# KiCad board ProtoBarnacle.kicad_pcb (continued)
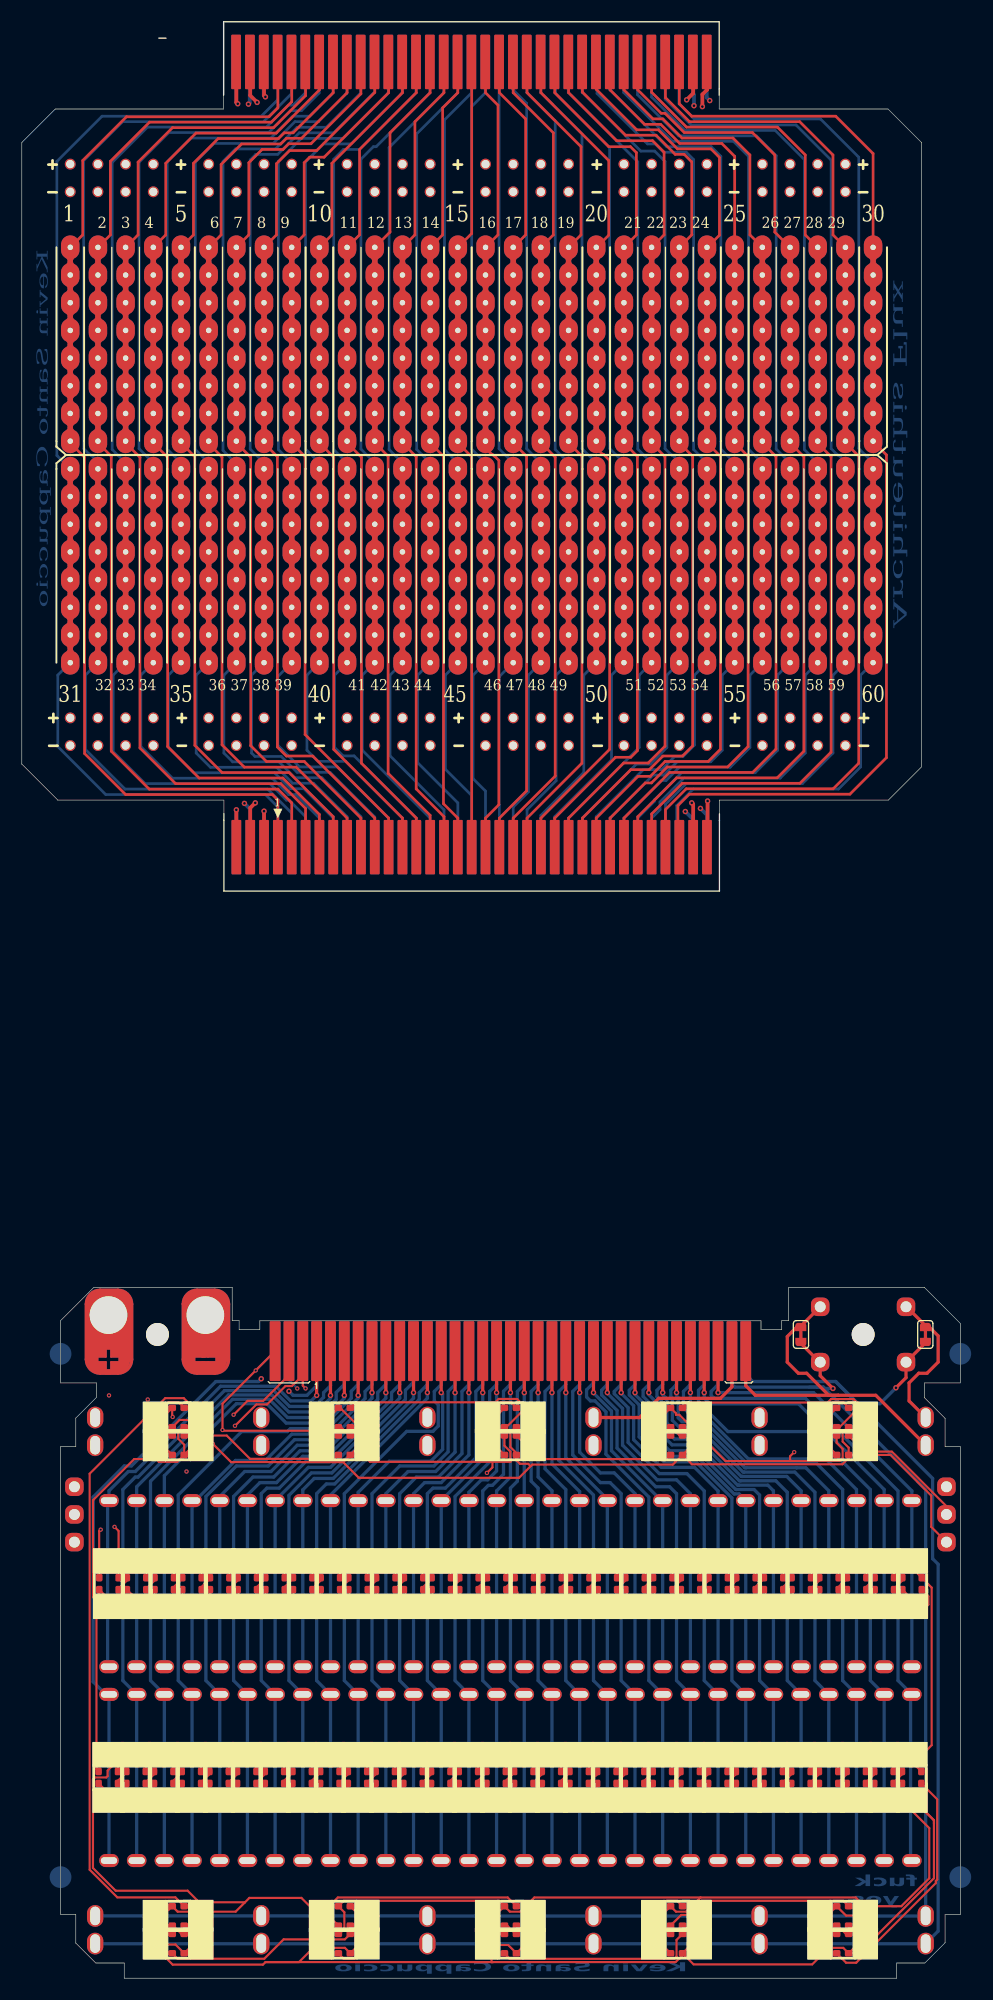
[diagram p0: board, top side]
## Nets
BOT_NEG: J11#2.62 J12.62 TP30.1
BOT_POS: J11#2.61 J12.61 TP28.1
LED_5V: J11#2.67 J11#2.70 J12.67 J12.70
LED_DATA_IN: J11#2.69 J12.69
LED_DATA_OUT: J11#2.66 J12.66
LED_GND: J11#2.65 J11#2.68 J12.65 J12.68
TOP_NEG: J11#2.64 J12.64 TP26.1
TOP_POS: J11#2.63 J12.63 TP24.1
Net-(D1-DOUT): D1.1 D2.3
Net-(D2-DOUT): D2.1 D3.3
Net-(D3-DOUT): D3.1 D4.3
Net-(D4-DOUT): D4.1 D5.3
Net-(D5-DOUT): D5.1 D6.3
Net-(D6-DOUT): D6.1 D7.3
Net-(D7-DOUT): D7.1 D8.3
Net-(D8-DOUT): D8.1 D9.3
Net-(D10-DIN): D9.1 D10.3
Net-(D10-DOUT): D10.1 D11.3
Net-(D11-DOUT): D11.1 D12.3
Net-(D12-DOUT): D12.1 D13.3
Net-(D13-DOUT): D13.1 D14.3
Net-(D14-DOUT): D14.1 D15.3
Net-(D15-DOUT): D15.1 D16.3
Net-(D16-DOUT): D16.1 D17.3
Net-(D17-DOUT): D17.1 D18.3
Net-(D18-DOUT): D18.1 D19.3
Net-(D19-DOUT): D19.1 D20.3
Net-(D20-DOUT): D20.1 D21.3
Net-(D21-DOUT): D21.1 D22.3
Net-(D22-DOUT): D22.1 D23.3
Net-(D23-DOUT): D23.1 D24.3
Net-(D24-DOUT): D24.1 D25.3
Net-(D25-DOUT): D25.1 D26.3
Net-(D26-DOUT): D26.1 D27.3
Net-(D27-DOUT): D27.1 D28.3
Net-(D28-DOUT): D28.1 D29.3
Net-(D29-DOUT): D29.1 D30.3
Net-(D30-DOUT): D30.1 D31.3
Net-(D31-DOUT): D31.1 D32.3
Net-(D32-DOUT): D32.1 D33.3
Net-(D33-DOUT): D33.1 D34.3
Net-(D34-DOUT): D34.1 D35.3
Net-(D35-DOUT): D35.1 D36.3
Net-(D36-DOUT): D36.1 D37.3
Net-(D37-DOUT): D37.1 D38.3
Net-(D38-DOUT): D38.1 D39.3
Net-(D39-DOUT): D39.1 D40.3
Net-(D40-DOUT): D40.1 D41.3
Net-(D41-DOUT): D41.1 D42.3
Net-(D42-DOUT): D42.1 D43.3
Net-(D43-DOUT): D43.1 D44.3
Net-(D44-DOUT): D44.1 D45.3
Net-(D45-DOUT): D45.1 D46.3
Net-(D46-DOUT): D46.1 D47.3
Net-(D47-DOUT): D47.1 D48.3
Net-(D48-DOUT): D48.1 D49.3
Net-(D49-DOUT): D49.1 D50.3
Net-(D50-DOUT): D50.1 D51.3
Net-(D51-DOUT): D51.1 D52.3
Net-(D52-DOUT): D52.1 D53.3
Net-(D53-DOUT): D53.1 D54.3
Net-(D54-DOUT): D54.1 D55.3
Net-(D55-DOUT): D55.1 D56.3
Net-(D56-DOUT): D56.1 D57.3
Net-(D57-DOUT): D57.1 D58.3
Net-(D58-DOUT): D58.1 D59.3
Net-(D59-DOUT): D59.1 D60.3
Net-(D60-DOUT): D60.1 D71.3
Net-(D71-DOUT): D71.1 D72.3
Net-(D72-DOUT): D72.1 D73.3
Net-(D73-DOUT): D73.1 D74.3
Net-(D74-DOUT): D74.1 D75.3
Net-(D75-DOUT): D75.1 D76.3
Net-(D76-DOUT): D76.1 D77.3
Net-(D77-DOUT): D77.1 D78.3
Net-(D78-DOUT): D78.1 D79.3
Net-(D79-DOUT): D79.1 D80.3
Net-(D80-DOUT): D80.1 D81.3
Net-(D81-DOUT): D81.1 D82.3
Net-(D82-DOUT): D82.1 D83.3
Net-(D83-DOUT): D83.1 D84.3
Net-(D84-DOUT): D84.1 D85.3
Net-(D85-DOUT): D85.1 D86.3
Net-(D86-DOUT): D86.1 D87.3
Net-(D87-DOUT): D87.1 D88.3
Net-(D88-DOUT): D88.1 D89.3
Net-(D89-DOUT): D89.1 D90.3
Net-(J1-Pin_1): J1.1 J1#2.1 J11.1 J11#2.31 J12.31
Net-(J1-Pin_2): J1.2 J1#2.2 J11.2 J11#2.32 J12.32
Net-(J1-Pin_3): J1.3 J1#2.3 J11.3 J11#2.33 J12.33
Net-(J1-Pin_4): J1.4 J1#2.4 J11.4 J11#2.34 J12.34
Net-(J1-Pin_5): J1.5 J1#2.5 J11.5 J11#2.35 J12.35
Net-(J1-Pin_6): J1.6 J1#2.6 J11.6 J11#2.36 J12.36
Net-(J1-Pin_7): J1.7 J1#2.7 J11.7 J11#2.37 J12.37
Net-(J1-Pin_8): J1.8 J1#2.8 J11.8 J11#2.38 J12.38
Net-(J1-Pin_9): J1.9 J1#2.9 J11.9 J11#2.39 J12.39
Net-(J1-Pin_10): J1.10 J1#2.10 J11.10 J11#2.40 J12.40
Net-(J1-Pin_11): J1.11 J1#2.11 J11.11 J11#2.41 J12.41
Net-(J1-Pin_12): J1.12 J1#2.12 J11.12 J11#2.42 J12.42
Net-(J1-Pin_13): J1.13 J1#2.13 J11.13 J11#2.43 J12.43
Net-(J1-Pin_14): J1.14 J1#2.14 J11.14 J11#2.44 J12.44
Net-(J1-Pin_15): J1.15 J1#2.15 J11.15 J11#2.45 J12.45
Net-(J1-Pin_16): J1.16 J1#2.16 J11.16 J11#2.46 J12.46
Net-(J1-Pin_17): J1.17 J1#2.17 J11.17 J11#2.47 J12.47
Net-(J1-Pin_18): J1.18 J1#2.18 J11.18 J11#2.48 J12.48
Net-(J1-Pin_19): J1.19 J1#2.19 J11.19 J11#2.49 J12.49
Net-(J1-Pin_20): J1.20 J1#2.20 J11.20 J11#2.50 J12.50
Net-(J1-Pin_21): J1.21 J1#2.21 J11.21 J11#2.51 J12.51
Net-(J1-Pin_22): J1.22 J1#2.22 J11.22 J11#2.52 J12.52
Net-(J1-Pin_23): J1.23 J1#2.23 J11.23 J11#2.53 J12.53
Net-(J1-Pin_24): J1.24 J1#2.24 J11.24 J11#2.54 J12.54
Net-(J1-Pin_25): J1.25 J1#2.25 J11.25 J11#2.55 J12.55
Net-(J1-Pin_26): J1.26 J1#2.26 J11.26 J11#2.56 J12.56
Net-(J1-Pin_27): J1.27 J1#2.27 J11.27 J11#2.57 J12.57
Net-(J1-Pin_28): J1.28 J1#2.28 J11.28 J11#2.58 J12.58
Net-(J1-Pin_29): J1.29 J1#2.29 J11.29 J11#2.59 J12.59
Net-(J1-Pin_30): J1.30 J1#2.30 J11.30 J11#2.60 J12.60
Net-(J11-Pin_1): J2.1 J11#2.1 J12.1
Net-(J11-Pin_2): J2.2 J11#2.2 J12.2
Net-(J11-Pin_3): J2.3 J11#2.3 J12.3
Net-(J11-Pin_4): J2.4 J11#2.4 J12.4
Net-(J11-Pin_5): J2.5 J11#2.5 J12.5
Net-(J11-Pin_6): J2.6 J11#2.6 J12.6
Net-(J11-Pin_7): J2.7 J11#2.7 J12.7
Net-(J11-Pin_8): J2.8 J11#2.8 J12.8
Net-(J11-Pin_9): J2.9 J11#2.9 J12.9
Net-(J11-Pin_10): J2.10 J11#2.10 J12.10
Net-(J11-Pin_11): J2.11 J11#2.11 J12.11
Net-(J11-Pin_12): J2.12 J11#2.12 J12.12
Net-(J11-Pin_13): J2.13 J11#2.13 J12.13
Net-(J11-Pin_14): J2.14 J11#2.14 J12.14
Net-(J11-Pin_15): J2.15 J11#2.15 J12.15
Net-(J11-Pin_16): J2.16 J11#2.16 J12.16
Net-(J11-Pin_17): J2.17 J11#2.17 J12.17
Net-(J11-Pin_18): J2.18 J11#2.18 J12.18
Net-(J11-Pin_19): J2.19 J11#2.19 J12.19
Net-(J11-Pin_20): J2.20 J11#2.20 J12.20
Net-(J11-Pin_21): J2.21 J11#2.21 J12.21
Net-(J11-Pin_22): J2.22 J11#2.22 J12.22
Net-(J11-Pin_23): J2.23 J11#2.23 J12.23
Net-(J11-Pin_24): J2.24 J11#2.24 J12.24
Net-(J11-Pin_25): J2.25 J11#2.25 J12.25
Net-(J11-Pin_26): J2.26 J11#2.26 J12.26
Net-(J11-Pin_27): J2.27 J11#2.27 J12.27
Net-(J11-Pin_28): J2.28 J11#2.28 J12.28
Net-(J11-Pin_29): J2.29 J11#2.29 J12.29
Net-(J11-Pin_30): J2.30 J11#2.30 J12.30

Pads without a net: D1 2 3 4; D2 2 4; D3 2 4; D4 2 4; D5 2 4; D6 2 4; D7 2 4; D8 2 4; D9 2 4; D10 2 4; D11 2 4; D12 2 4; D13 2 4; D14 2 4; D15 2 4; D16 2 4; D17 2 4; D18 2 4; D19 2 4; D20 2 4; D21 2 4; D22 2 4; D23 2 4; D24 2 4; D25 2 4; D26 2 4; D27 2 4; D28 2 4; D29 2 4; D30 2 4; D31 2 4; D32 2 4; D33 2 4; D34 2 4; D35 2 4; D36 2 4; D37 2 4; D38 2 4; D39 2 4; D40 2 4; D41 2 4; D42 2 4; D43 2 4; D44 2 4; D45 2 4; D46 2 4; D47 2 4; D48 2 4; D49 2 4; D50 2 4; D51 2 4; D52 2 4; D53 2 4; D54 2 4; D55 2 4; D56 2 4; D57 2 4; D58 2 4; D59 2 4; D60 2 4; D71 2 4; D72 2 4; D73 2 4; D74 2 4; D75 2 4; D76 2 4; D77 2 4; D78 2 4; D79 2 4; D80 2 4; D81 2 4; D82 2 4; D83 2 4; D84 2 4; D85 2 4; D86 2 4; D87 2 4; D88 2 4; D89 2 4; D90 1 2 4; J1#2 31 32 33 34 35 36 37 38 39 40 41 42 43 44 45 46 47 48 49 50 51 52 53 54 55 56 57 58 59 60 61 62 63 64 65 66 67 68 69 70; J11 31 32 33 34 35 36 37 38 39 40 41 42 43 44 45 46 47 48 49 50 51 52 53 54 55 56 57 58 59 60 61 62 63 64; JP1 1 2; JP2 1 2; NOREF 1; NOREF#2 1; NOREF#3 1; NOREF#4 1; TP15 1; TP16 1; TP20 1; TP21 1; TP22 1; TP23 1; TP24#2 1; TP25 1; TP26#2 1; TP27 1; TP29 1; TP31 1

## Via types
v1: diameter 0.5, hole 0.25, Top to Bottom, 50 vias
v2: diameter 0.4, hole 0.2, Top to Bottom, 24 vias

## Routing (per net, layer and track width the routed paths; a pad name or vN(x,y) marks a point on that pad's centre or on a via; arc(x,y) is an arc through that point)
(no net): length 3362.4
  Top w0.2: 70.48,47.45 75.05,47.45 75.31,47.71 75.31,48.56 74.76,49.11 74.76,49.78 74.68,49.78 74.21,50.25 74.21,51.77 74.76,52.32 ; 70.48,47.45 64.56,47.45 60.32,51.69 60.02,51.69 60.02,51.82 D88.2 58.97,51.77 58.97,50.25 59.44,49.78 D87.2 ; 70.48,47.45 70.48,47.88 v2(70.87,48.26) ; 31.75,37.35 29.18,37.35 ; 31.75,37.35 34.29,37.35 ; 31.75,37.35 31.75,36.75 D10.2 ; 29.18,37.35 29.18,36.76 D9.2 ; 29.18,37.35 26.64,37.35 ; D39.2 29.18,19 29.18,19.52 ; 49.48,19.52 49.49,19.51 D47.2 ; 49.48,19.52 46.96,19.52 ; 49.48,19.52 52.04,19.52 ; 62.2,19.52 62.2,18.97 D52.2 ; 62.2,19.52 64.69,19.52 ; 62.2,19.52 59.64,19.52 ; 26.64,37.35 26.64,36.76 D8.2 ; 26.64,37.35 24.1,37.35 ; 12.18,35.05 7.7,35.05 D1.4 7.1,34.43 v2(7.24,34.29) 6.53,34.99 6.53,43.85 10.31,47.62 12.32,47.62 12.57,47.37 14.27,47.37 D82.4 ; 12.18,35.05 12.18,35.05 ; 12.18,35.05 10.24,35.05 D2.4 ; D28.2 77.49,37.34 77.5,37.35 ; 58.04,35.05 55.52,35.05 ; 58.04,35.05 58.04,35.53 D21.4 ; 58.04,35.05 60.6,35.05 ; 55.52,35.05 55.52,35.5 D20.4 ; 55.52,35.05 52.96,35.05 ; 65.53,17.02 68.2,17.02 ; 65.53,17.02 65.53,17.85 D54.4 ; 65.53,17.02 63.09,17.02 ; 68.2,17.02 68.05,17.16 D55.4 ; 68.2,17.02 70.51,17.02 ; 12.18,35.05 14.73,35.05 ; 12.18,35.05 D3.4 ; 81.97,37.35 D30.2 83.48,35.83 83.48,21.37 v2(82.3,20.19) 82.3,19.83 81.98,19.52 ; 81.97,37.35 82.42,37.8 v2(82.42,37.85) ; 81.97,37.35 80.04,37.35 ; 34.98,17.02 35.01,17.05 D42.4 ; 34.98,17.02 37.62,17.02 ; 34.98,17.02 32.49,17.02 ; D13.4 37.69,35.55 37.69,35.05 ; D35.4 17.25,17.83 17.25,17.02 ; 8.81,19.52 8.81,18.98 D31.2 8.82,19.04 9.3,19.52 9.32,19.52 ; 8.81,19.52 8.89,19.59 v2(8.89,20.45) ; 8.81,19.52 9.32,19.52 ; 8.81,19.52 8.34,19.52 7.87,19.05 7.87,18.54 7.75,18.42 6.71,18.42 6.53,18.24 6.53,10.11 8.61,8.03 15.21,8.03 16.28,6.97 20.48,6.97 ; D71.4 76.8,2.29 83.69,9.17 83.69,14.2 ; D71.4 76.41,2.84 76.41,4.49 76.07,4.83 75.86,4.83 75.94,4.83 ; D71.4 75.36,2.79 74.03,2.79 72.52,1.27 61.64,1.27 D74.4 ; 9.4,17.02 9.59,17.21 D32.4 ; 9.4,17.02 7.89,17.02 ; 9.4,17.02 12.09,17.02 ; 14.9,50.55 14.76,50.55 14.35,50.14 14.35,49.49 14.9,48.94 D82.4 ; D14.2 41.94,36.76 41.94,37.35 ; 45.38,50.55 45.3,50.55 44.83,50.08 44.83,48.73 45.38,48.18 D86.4 45.38,47.51 45.7,47.19 46.46,47.19 46.69,46.97 ; 22.4,35.05 19.89,35.05 ; 22.4,35.05 24.94,35.05 ; 22.4,35.05 22.34,35.1 D7.4 ; 19.89,35.05 19.89,35.56 D6.4 ; 19.89,35.05 17.27,35.05 ; D45.2 44.41,19.4 44.53,19.52 ; D9.4 27.38,35.6 27.38,35.05 ; D87.4 61.48,47.15 75.28,47.15 75.86,47.73 D90.4 ; D87.4 59.73,47.12 46.83,47.12 46.69,46.97 ; D87.4 61.17,48.56 61.17,50.08 60.7,50.55 60.62,50.55 ; D59.2 79.99,19.37 80.14,19.52 ; 40.18,35.05 40.18,35.6 D14.4 ; 40.18,35.05 42.95,35.05 ; 40.18,35.05 37.69,35.05 ; D13.2 39.34,36.78 39.34,37.35 ; 74.93,37.35 72.44,37.35 ; 74.93,37.35 77.5,37.35 ; 74.93,37.35 74.93,36.76 D27.2 ; 72.44,37.35 72.44,36.78 D26.2 ; 72.44,37.35 69.88,37.35 ; 24.51,57.53 24.51,55.33 22.14,52.96 20.7,52.96 v2(19.43,51.69) ; 68.25,35.05 65.53,35.05 ; 68.25,35.05 70.74,35.05 ; 68.25,35.05 68.25,35.48 D25.4 ; 65.53,35.05 65.53,35.63 D24.4 ; 65.53,35.05 63.07,35.05 ; D60.2 81.98,19.52 ; 81.98,19.52 80.14,19.52 ; D86.2 44.28,48.85 44.83,48.3 44.83,47.37 43.18,47.37 ; D86.2 44.2,49.78 43.69,50.29 43.69,51.73 D85.2 ; D86.2 44.36,49.78 ; D34.4 14.73,17.81 14.73,17.02 ; 24.94,35.05 24.94,35.59 D8.4 ; 24.94,35.05 27.38,35.05 ; 57.91,17.02 57.89,17.04 D51.4 ; 57.91,17.02 60.53,17.02 ; 57.91,17.02 55.35,17.02 ; 29.18,19.52 26.67,19.52 ; 29.18,19.52 31.67,19.52 ; 26.67,19.52 24.08,19.52 ; 26.67,19.52 26.61,19.46 D38.2 ; 45.21,17.02 45.17,17.06 D46.4 ; 45.21,17.02 47.68,17.02 ; 45.21,17.02 42.72,17.02 ; v2(11.94,3.66) 12.41,3.66 12.98,3.09 ; D54.2 67.29,19.4 67.41,19.52 ; D17.2 49.54,37.34 49.53,37.35 ; 64.69,19.52 67.41,19.52 ; 64.69,19.52 64.75,19.46 D53.2 ; 77.5,37.35 80.04,37.35 ; 29.48,47.35 19.2,47.35 v2(17.53,49.02) 15.92,49.02 D82.4 ; 29.48,47.35 30.92,45.91 45.62,45.91 46.69,46.97 ; 29.48,47.35 D83.4 30.73,48.6 30.73,50.04 30.22,50.55 30.14,50.55 ; 16.38,19.52 13.82,19.52 ; 16.38,19.52 18.95,19.52 ; 16.38,19.52 16.45,19.45 D34.2 ; 13.82,19.52 11.4,19.52 ; 13.82,19.52 13.91,19.42 D33.2 ; 32.61,35.05 30.05,35.05 ; 32.61,35.05 32.61,35.54 D11.4 ; 32.61,35.05 35.2,35.05 ; 30.05,35.05 30.05,35.56 D10.4 ; 30.05,35.05 27.38,35.05 ; D3.2 13.97,36.75 13.97,37.35 ; 78.33,35.05 78.33,35.56 D29.4 ; 78.33,35.05 75.72,35.05 ; 78.33,35.05 80.27,35.05 80.79,35.56 D30.4 81.89,34.54 v2(82.42,34.54) ; D6.2 21.56,36.76 21.56,37.35 ; D38.4 24.83,17.05 24.87,17.02 ; 52.04,37.35 49.53,37.35 ; 52.04,37.35 54.61,37.35 ; 52.04,37.35 52.04,36.78 D18.2 ; 49.53,37.35 46.94,37.35 ; 29.87,17.02 32.49,17.02 ; 29.87,17.02 29.91,17.06 D40.4 ; 29.87,17.02 27.33,17.02 ; 32.49,17.02 32.49,17.84 D41.4 ; 78.31,17.02 79.99,17.02 ; 78.31,17.02 78.31,17.77 D59.4 ; 78.31,17.02 75.82,17.02 ; 79.99,17.02 80.75,17.78 D60.4 ; 79.99,17.02 81.15,17.02 83.69,14.48 ; 74.76,4.06 74.68,4.06 74.21,4.53 74.21,6.05 74.76,6.6 75.62,5.74 76.4,5.74 77.04,6.38 77.04,6.6 ; 7.89,17.02 D31.4 ; 7.89,17.02 7.13,16.26 v2(6.98,16.26) ; 62.27,7.4 60.97,6.1 60.02,6.1 D73.2 58.97,6.05 58.97,4.53 59.44,4.06 D74.2 ; 62.27,7.4 47.03,7.4 45.73,6.1 44.78,6.1 D76.2 ; 62.27,7.4 76.52,7.4 77.04,6.88 77.04,6.6 ; D49.4 52.78,17.86 52.78,17.02 ; 36.73,37.35 36.73,36.85 D12.2 ; 36.73,37.35 39.34,37.35 ; 36.73,37.35 34.29,37.35 ; 42.95,35.05 42.95,35.37 D15.4 ; 42.95,35.05 45.47,35.05 ; 18.95,19.52 18.99,19.47 D35.2 ; 18.95,19.52 21.54,19.52 ; 9.32,19.52 11.4,19.52 ; 46.94,37.35 44.42,37.35 ; 46.94,37.35 46.94,36.8 D16.2 ; 44.42,37.35 41.94,37.35 ; 44.42,37.35 44.42,36.78 D15.2 ; 69.88,37.35 69.88,36.76 D25.2 ; 69.88,37.35 67.34,37.35 ; 24.1,37.35 24.1,36.76 D7.2 ; 24.1,37.35 21.56,37.35 ; v2(19.56,50.67) 21.52,52.64 22.5,52.64 24.19,54.32 24.78,54.32 25.78,55.33 J1#2.67 25.78,54.36 v2(26.03,54.1) ; 27.33,17.02 27.33,17.82 D39.4 ; 27.33,17.02 24.87,17.02 ; 39.34,37.35 41.94,37.35 ; D79.2 13.72,4.06 13.25,4.53 13.25,6.05 D80.2 14.3,6.1 19.62,6.1 20.48,6.97 ; 39.27,19.52 36.73,19.52 ; 39.27,19.52 41.81,19.52 ; 39.27,19.52 39.33,19.46 D43.2 ; 36.73,19.52 34.14,19.52 ; 36.73,19.52 36.79,19.46 D42.2 ; D1.3 7.1,41.01 v2(7.24,41.15) ; 46.96,19.52 46.95,19.5 D46.2 ; 46.96,19.52 44.53,19.52 ; D12.4 35.2,35.5 35.2,35.05 ; 47.9,35.05 47.9,35.5 D17.4 ; 47.9,35.05 50.42,35.05 ; 47.9,35.05 45.47,35.05 ; D58.2 77.65,19.16 77.65,19.52 ; 67.34,37.35 64.85,37.35 ; 67.34,37.35 67.34,36.76 D24.2 ; 64.85,37.35 62.23,37.35 ; 64.85,37.35 64.85,36.81 D23.2 ; 24.08,19.52 21.54,19.52 ; 24.08,19.52 24.07,19.51 D37.2 ; 62.23,37.35 62.23,36.76 D22.2 ; 62.23,37.35 59.72,37.35 ; D84.2 26.94,50.22 18.48,50.22 v2(18.41,50.29) 18.41,52.71 v2(21.46,55.75) J1#2.65 ; D84.2 29.21,52.32 31.04,50.49 31.04,48.29 31.95,47.37 43.18,47.37 ; D84.2 28.49,51.77 28.49,50.25 28.96,49.78 D83.2 ; 69.77,19.52 69.77,19.02 D55.2 ; 69.77,19.52 67.41,19.52 ; 69.77,19.52 72.47,19.52 ; 77.04,6.6 80.7,6.6 83.26,9.17 83.26,13.77 80.77,16.26 v2(80.39,16.26) ; 34.29,37.35 D11.2 ; 70.51,17.02 70.51,17.78 D56.4 ; 70.51,17.02 73.33,17.02 ; 20.48,6.97 20.88,7.37 25.66,7.37 28.96,4.06 D78.2 29.12,4.06 29.59,4.53 29.59,6.05 D77.2 29.54,7.1 43.78,7.1 D76.2 ; D48.2 52.03,19.5 52.04,19.52 ; D53.4 63.09,17.75 63.09,17.02 ; D19.4 52.96,35.53 52.96,35.05 ; 59.64,19.52 59.64,18.99 D51.2 ; 59.64,19.52 57.15,19.52 ; 63.07,35.05 63.07,35.59 D23.4 ; 63.07,35.05 60.6,35.05 ; 37.62,17.02 40.06,17.02 ; 37.62,17.02 37.62,17.8 D43.4 ; 22.36,1.48 25.43,1.48 26.74,2.79 29.64,2.79 D78.4 30.69,2.84 30.69,4.36 30.22,4.83 30.14,4.83 ; 22.36,1.48 22.13,1.24 13.84,1.24 12.98,2.11 12.98,3.09 ; 22.36,1.48 43.21,1.48 ; 72.47,19.52 72.37,19.42 D56.2 ; 72.47,19.52 74.88,19.52 ; 52.78,17.02 50.24,17.02 ; 52.78,17.02 55.35,17.02 ; 47.68,17.02 47.68,17.83 D47.4 ; 47.68,17.02 50.24,17.02 ; 37.69,35.05 35.2,35.05 ; 12.98,3.09 14.1,3.09 D79.4 15.45,2.84 15.45,4.36 14.98,4.83 14.9,4.83 ; 31.67,19.52 31.69,19.5 D40.2 ; 31.67,19.52 34.14,19.52 ; 60.62,4.83 60.7,4.83 61.17,4.36 61.17,2.84 D74.4 ; 16.48,37.35 16.48,36.76 D4.2 ; 16.48,37.35 19.02,37.35 ; 16.48,37.35 13.97,37.35 ; 14.73,35.05 17.27,35.05 ; 14.73,35.05 14.73,35.64 D4.4 ; 54.58,19.52 54.57,19.5 D49.2 ; 54.58,19.52 52.04,19.52 ; 54.58,19.52 57.15,19.52 ; 54.61,37.35 54.61,36.75 D19.2 ; 54.61,37.35 57.23,37.35 ; 19.74,17.02 22.28,17.02 ; 19.74,17.02 17.25,17.02 ; 19.74,17.02 19.75,17.04 D36.4 ; 22.28,17.02 22.28,17.85 D37.4 ; 22.28,17.02 24.87,17.02 ; 11.4,19.52 11.37,19.48 D32.2 ; 77.65,19.52 74.88,19.52 ; 77.65,19.52 80.14,19.52 ; 74.88,19.52 74.88,19 D57.2 ; 11.4,37.35 9.4,37.35 8.88,36.83 D1.2 8.88,41.03 v2(8.51,41.4) ; 11.4,37.35 11.42,37.33 D2.2 ; 11.4,37.35 13.97,37.35 ; 21.54,19.52 21.53,19.51 D36.2 ; 34.14,19.52 34.24,19.41 D41.2 ; 17.25,17.02 14.73,17.02 ; 50.24,17.02 50.24,17.86 D48.4 ; 52.96,35.05 50.42,35.05 ; 50.42,35.05 50.42,35.53 D18.4 ; 70.74,35.05 70.74,35.53 D26.4 ; 70.74,35.05 73.23,35.05 ; D5.2 19.02,36.76 19.02,37.35 ; 60.53,17.02 63.09,17.02 ; 60.53,17.02 60.53,17.77 D52.4 ; 60.6,35.05 60.6,35.51 D22.4 ; 19.02,37.35 21.56,37.35 ; 73.23,35.05 73.23,35.59 D27.4 ; 73.23,35.05 75.72,35.05 ; D75.2 43.97,4.06 43.73,4.3 43.73,6.05 D76.2 ; 43.21,1.48 43.1,1.48 43.1,2.76 43.38,3.05 44.62,3.05 D75.4 45.93,2.84 45.93,4.36 45.46,4.83 45.38,4.83 ; 43.21,1.48 59.98,1.48 60.62,2.12 D74.4 ; 75.72,35.05 75.72,35.64 D28.4 ; 80.04,37.35 80.03,37.34 D29.2 ; 17.27,35.05 17.27,35.64 D5.4 ; 14.73,17.02 12.09,17.02 ; TP22.1 83.44,41.4 83.44,44.27 79.71,48.01 D90.4 ; 42.72,17.02 42.72,17.77 D45.4 ; 42.72,17.02 40.06,17.02 ; 55.35,17.02 55.35,17.78 55.34,17.79 D50.4 ; 59.72,37.35 57.23,37.35 ; 59.72,37.35 59.72,36.76 D21.2 ; 57.23,37.35 57.23,36.81 D20.2 ; 44.53,19.52 41.81,19.52 ; 12.09,17.02 12.09,17.82 D33.4 ; D58.4 75.67,17.16 75.82,17.02 ; 45.47,35.05 45.47,35.4 D16.4 ; 41.81,19.52 41.87,19.46 D44.2 ; TP15.1 84.84,43.3 79.83,48.31 77.34,48.31 D90.1 ; 73.33,17.02 75.82,17.02 ; 73.33,17.02 73.13,17.21 D57.4 ; 83.69,14.48 v2(82.23,15.94) ; 83.69,14.48 83.69,14.2 ; 83.69,14.48 83.69,14.2 ; 57.15,19.52 57.12,19.48 D50.2 ; v2(42.67,46.36) 43.18,46.86 43.18,47.37 ; 75.86,50.55 75.78,50.55 75.31,50.08 75.31,49.23 75.86,48.68 D90.4 ; 40.06,17.02 40.06,17.83 D44.4 ; v2(13.84,51.49) 13.8,51.53 D81.2 13.25,51.77 13.25,50.25 13.72,49.78 D82.2
  Top w0.3: TP25.1 71.6,59.94 ; 71.6,59.94 71.48,59.94 ; 71.6,59.94 71.31,59.94 70.23,58.86 70.23,56.52 71.25,55.5 72.01,55.5 74.03,53.47 74.93,53.47 ; 74.93,53.47 78.35,53.47 J11.62 ; 74.93,53.47 67.3,53.47 66.42,54.36 J1#2.62 ; v1(80.2,54.17) 81.13,55.09 TP31.1 82.78,58.17 82.91,58.17 ; J1#2.61 65.15,54.25 64.1,53.2 58.44,53.2 56.68,51.44 52.45,51.44 ; TP27.1 81.18,61.6 JP2.1 83.13,59.87 84.07,58.93 84.07,56.52 83.06,55.5 82.3,55.5 81.41,54.61 81.41,52.96 J11.61 ; v1(74.42,54.1) 73.25,55.27 TP29.1 73.2,56.52 JP1.1
  In1.Cu w0.2: v2(82.42,37.85) 82.22,38.05 82.22,42.47 TP23.1 78.44,51.49 74.09,51.49 v2(70.87,48.26) 70.3,47.7 48.39,47.7 ; 6.95,15.28 9.15,13.07 9.15,6.44 v2(11.94,3.66) ; 6.95,15.28 6.35,15.88 6.35,33.4 v2(7.24,34.29) 4.83,36.7 TP21.1 ; 6.95,15.28 6.98,15.32 v2(6.98,16.26) ; v2(82.3,20.19) 82.3,18.16 v2(80.39,16.26) ; TP22.1 84.84,36.83 82.55,34.54 v2(82.42,34.54) 83.52,33.45 83.52,17.22 v2(82.23,15.94) ; v2(15.11,46.48) 16.89,46.48 20.64,50.24 22.36,50.24 25.27,53.14 v2(25.27,54.1) ; v2(19.43,51.69) 18.86,51.12 18.86,50.11 18.6,49.84 12.83,49.84 9.22,46.23 9.22,41.1 8.7,40.57 7.82,40.57 v2(7.24,41.15) 6.22,41.15 TP16.1 ; v2(19.56,50.67) 19.56,50.37 18.21,49.02 v2(17.53,49.02) ; v2(21.46,55.75) 14.22,55.75 v2(11.56,53.09) ; v2(42.67,46.36) 44.01,47.7 48.39,47.7 ; v2(18.41,50.29) 16.38,52.32 14.68,52.32 v2(13.84,51.49) 11.23,51.49 TP20.1 v2(8.51,41.4) ; 48.39,47.7 48.22,47.7
  In1.Cu w0.3: v1(21.97,54.99) 23.11,53.85 v1(24.51,53.85)
  In1.Cu w0.4: TP24#2.1 9.27,59.51 9.27,51.44 6.73,48.9
  In2.Cu w0.2: TP15.1 84.84,43.18 81.21,46.81 15.44,46.81 v2(15.11,46.48) ; v2(8.89,20.45) 9.1,20.66 9.1,40.81 v2(8.51,41.4) ; v2(8,53.47) 11.18,53.47 v2(11.56,53.09)
  In2.Cu w0.3: 6.73,48.9 7.1,48.52 21.6,48.52 J11.62 J11.62 J11.62 J11.62 ; J11.61 82.43,50.94 68.19,50.94 J11.61 52.45,51.44 52,51.88 37.66,51.88 J11.61 J11.61 21.22,52.19 7.48,52.19 6.73,51.44
  In2.Cu w0.4: TP26#2.1 19.3,58.37 19.3,54.1 J11.61
  Bottom w0.2: J1#2.67 25.78,54.36 v2(26.03,54.1) ; 24.51,57.53 24.51,54.86 v2(25.27,54.1) ; J1#2.65 v2(21.46,55.75)
  Bottom w0.3: v1(21.97,54.99) 21.72,54.74 17.8,54.74 10.05,46.99 9.4,46.99 6.55,44.14 6.55,27.19 7.7,26.04 J11.31 J11.31 ; J11.36 J11.36 19.43,27.31 19.43,44.2 21.21,45.97 23.11,45.97 25.53,48.39 27.94,48.39 32.66,53.1 32.66,53.74 33.4,54.48 J1#2.36 ; 6.73,3.18 6.75,3.16 82.91,3.16 J11.64 84.07,4.32 84.07,37.98 83.57,38.48 83.57,45.85 74.68,54.74 ; J1#2.50 51.18,54.46 50.55,53.83 50.55,48.01 53.09,45.47 53.97,45.47 54.99,44.45 54.99,27.31 J11.50 J11.50 ; v1(24.51,53.85) 24.89,53.47 26.16,53.47 27.05,54.36 J1#2.31 ; 57.53,57.53 57.53,54.46 57.01,53.94 57.01,53.37 57.66,52.71 57.66,52.71 57.66,50.17 59.43,48.39 61.95,48.39 65.51,44.83 65.57,44.83 67.18,44.83 67.69,44.32 67.69,27.31 J11.55 J11.55 ; J11.46 J11.46 44.83,27.31 44.83,44.96 45.47,45.59 45.47,53.83 46.1,54.46 J1#2.46 ; J1#2.52 53.72,54.46 53.2,53.94 53.2,53.5 54.61,52.09 54.61,48.64 58.17,45.09 59.44,45.09 60.07,44.45 60.07,27.31 J11.52 J11.52 ; J1#2.44 43.56,54.46 42.93,53.83 42.93,47.37 39.75,44.2 39.75,27.31 J11.44 J11.44 ; J11.42 J11.42 34.67,27.31 34.67,44.45 36.19,45.97 38.23,45.97 40.39,48.13 40.39,53.83 41.02,54.46 J1#2.42 ; J1#2.54 56.26,54.46 55.74,53.94 55.74,53.5 56.64,52.6 56.64,49.66 58.93,47.37 61.84,47.37 65.15,44.06 65.15,27.31 J11.54 J11.54 ; J11.37 J11.37 21.97,27.31 21.97,44.45 22.48,44.95 23.62,44.95 26.03,47.37 28.22,47.37 33.93,53.08 33.93,53.72 34.67,54.46 34.67,57.53 ; J1#2.34 30.86,54.48 30.23,53.85 30.23,53.21 27.43,50.42 24.64,50.42 24.36,50.15 20.17,50.15 14.35,44.32 14.35,27.31 J11.34 J11.34 ; J11.32 J11.32 9.27,27.31 9.27,44.83 10.41,45.97 10.67,45.97 18.6,53.9 23.11,53.9 24.57,52.45 26.84,52.45 27.69,53.29 27.69,53.72 28.32,54.36 J1#2.32 ; J1#2.35 32.13,54.46 31.5,53.83 31.5,53.18 27.72,49.4 25.02,49.4 22.61,46.99 19.69,46.99 16.89,44.2 16.89,27.31 J11.35 J11.35 ; J1#2.49 49.91,54.46 49.28,53.83 49.28,47.5 52.45,44.32 52.45,27.31 J11.49 J11.49 ; 72.26,54.23 73.02,54.23 ; 73.02,54.23 73.53,54.23 ; 73.02,54.23 65.41,54.23 65.15,54.48 J1#2.61 ; J11.56 J11.56 70.23,27.31 70.23,44.58 69.18,45.63 65.84,45.63 62.01,49.47 59.88,49.47 58.67,50.67 58.67,52.95 58.28,53.35 58.28,53.94 58.8,54.46 J1#2.56 ; J11.41 J11.41 32.13,27.31 32.13,44.45 34.67,46.99 37.81,46.99 39.12,48.29 39.12,53.83 39.75,54.46 39.75,57.53 ; J11.33 J11.33 11.81,27.31 11.81,45.59 19.32,53.11 22.71,53.11 24.38,51.44 27.18,51.44 28.85,53.1 28.85,53.74 29.59,54.48 29.59,57.53 ; J1#2.53 54.99,54.46 54.36,53.83 54.36,53.61 55.63,52.34 55.63,49.15 58.48,46.29 61.02,46.29 62.61,44.7 62.61,27.31 J11.53 J11.53 ; J1#2.45 44.83,54.48 44.2,53.85 44.2,46.23 43.18,45.21 42.8,45.21 42.29,44.7 42.29,27.31 J11.45 J11.45 ; 73.53,54.23 73.66,54.1 v1(74.42,54.1) ; 73.53,54.23 82.93,44.83 J11.63 82.92,5.7 J11.63 37.2,5.72 J11.63 6.73,5.72 ; J11.48 J11.48 49.91,27.31 49.91,44.83 48.01,46.74 48.01,53.83 48.64,54.46 J1#2.48 ; 74.68,54.74 76.71,52.71 78.74,52.71 v1(80.2,54.17) ; 74.68,54.74 67.06,54.74 66.42,55.37 J1#2.62 ; J11.39 J11.39 27.05,27.31 27.05,44.45 27.94,45.34 28.7,45.34 36.47,53.1 36.47,53.72 37.21,54.46 J1#2.39 ; J1#2.57 60.07,54.46 59.55,53.94 59.55,53.36 59.69,53.21 59.69,51.18 60.33,50.55 62.06,50.55 66.17,46.43 66.29,46.43 70.92,46.43 72.77,44.58 72.77,27.31 J11.57 J11.57 ; J11.58 J11.58 75.31,27.31 75.31,44.83 72.91,47.23 66.5,47.23 62.05,51.69 61.34,51.69 60.71,52.32 60.71,53.83 61.34,54.46 J1#2.58 ; 47.37,57.53 47.37,54.46 46.74,53.83 46.74,45.59 47.37,44.96 47.37,27.31 J11.47 J11.47 ; J11.40 J11.40 29.59,27.31 29.59,44.45 35.31,50.17 37.72,50.17 38.21,50.66 38.21,52.59 37.85,52.96 37.85,53.83 38.48,54.46 J1#2.40 ; J1#2.43 42.29,54.46 41.66,53.83 41.66,47.75 38.86,44.96 37.72,44.96 37.21,44.45 37.21,27.31 J11.43 J11.43 ; J11.51 J11.51 57.53,27.31 57.53,44.14 53.59,48.08 53.59,51.96 52.59,52.96 52.18,52.96 51.82,53.32 51.82,53.98 52.45,54.61 52.45,57.53 ; J11.38 J11.38 24.51,27.31 24.51,44.29 26.57,46.36 28.45,46.36 35.2,53.1 35.2,53.94 35.94,54.68 J1#2.38 ; J1#2.60 63.88,54.46 63.25,53.83 63.25,53.47 63.52,53.2 71.9,53.2 80.39,44.7 80.39,27.31 J11.60 81.54,25.92 81.54,10.91 J11.60 ; J11.59 J11.59 77.85,27.31 77.85,44.83 72.54,50.15 64.79,50.15 62.09,52.85 62.09,53.94 62.61,54.46 J1#2.59
BOT_NEG: length 200.7
  Top w0.35: v1(62.44,171.7) 62.44,172.81 62.86,173.24 62.86,175.72 62.94,175.79
  In1.Cu w0.35: TP30.1 TP30.1 3.17,114.36 3.17,166.45 5.5,168.78 59.64,168.78 62.44,171.59 v1(62.44,171.7) ; v1(62.26,107.32) 62.26,112.48 TP30.1
  Bottom w0.35: v1(62.26,107.32) 62.86,106.71 J12.62
BOT_POS: length 200
  Top w0.35: 61.67,175.79 61.59,175.72 61.59,172.91 v1(61,172.32)
  In2.Cu w0.35: v1(61,172.32) 57.15,168.47 5.19,168.47 3.17,166.45 3.17,116.9 TP28.1 TP28.1 ; v1(60.88,107.03) 58.93,108.98 58.93,114.22 TP28.1
  Bottom w0.35: v1(60.88,107.03) 61.59,106.31 J12.61
LED_5V: length 115
  Top w0.35: v1(22.35,172.59) 22.22,172.72 22.22,175.72 22.3,175.79 ; v1(22.22,107.06) J12.67
  In1.Cu w0.35: v1(22.22,107.06) 22.22,110.87 21.34,111.76 4.19,111.76 2.54,113.41 2.54,166.67 5.41,169.55 22.22,169.55 22.35,169.67 v1(22.35,172.59)
  Bottom w0.35: v1(22.35,172.59) 22.2,172.75 22.2,175.69 22.3,175.79 ; J12.67 v1(22.22,107.06)
LED_DATA_IN: length 104.5
  In2.Cu w0.35: v1(20.8,171.93) 20.8,170.19 19.68,169.07 4.94,169.07 2.57,166.7 2.57,113.64 3.3,112.9 3.31,112.9 5.22,111 19.81,111 20.43,110.38 v1(20.43,107.78)
  Bottom w0.35: 21.03,175.79 20.91,175.68 20.91,172.05 v1(20.8,171.93) ; J12.69 20.95,107.25 v1(20.43,107.78)
LED_DATA_OUT: length 106.4
  Top w0.35: v1(21.42,107.82) 20.95,107.36 J12.66 ; 21.03,175.79 20.95,175.72 20.95,172.72 v1(21.59,172.09)
  In1.Cu w0.35: v1(21.42,107.82) 19.61,109.64 5.59,109.64 4.07,111.16 3.94,111.16 1.81,113.29 1.81,166.24 1.94,166.36 1.94,166.92 5.71,170.69 21.59,170.69 v1(21.59,172.09)
LED_GND: length 111.3
  Top w0.35: v1(19.69,107.19) 19.69,103.76 ; 19.76,175.79 19.69,175.72 19.69,172.09 v1(19.81,171.96)
  In2.Cu w0.35: v1(19.81,171.96) 19.81,170.05 19.43,169.67 4.32,169.67 1.93,167.28 1.93,113.43 5.25,110.11 19.18,110.11 19.56,109.73 19.56,107.32 v1(19.69,107.19)
  Bottom w0.35: 19.69,103.76 v1(19.69,107.19) ; v1(19.81,171.96) 19.66,172.11 19.66,175.69 19.76,175.79
TOP_NEG: length 160.8
  Top w0.35: v1(62.92,107.99) 62.92,103.81 J12.64
  In1.Cu w0.35: TP26.1 TP26.1 79.5,159.94 79.5,112.14 78.49,111.13 64.26,111.13 62.92,109.78 v1(62.92,107.99) ; v1(63.12,172.25) 63.12,169.32 63.79,168.65 63.79,164.81 TP26.1
  Bottom w0.35: 62.94,175.79 62.84,175.69 62.84,172.53 v1(63.12,172.25)
TOP_POS: length 160.9
  Top w0.35: J12.63 61.59,107.69 v1(61.47,107.82)
  In2.Cu w0.35: TP24.1 61.67,167.61 v1(61.67,171.78) ; v1(61.47,107.82) 65.78,112.14 79.5,112.14 79.5,162.48 TP24.1 TP24.1
  Bottom w0.35: 61.67,175.79 61.59,175.72 61.59,172.85 61.67,172.77 v1(61.67,171.78)
Net-(D1-DOUT): length 1.4
  Top w0.2: D2.3 9.64,36.49 8.88,35.73 D1.1
Net-(D2-DOUT): length 1.4
  Top w0.2: D2.1 11.42,35.73 12.18,36.49 D3.3
Net-(D3-DOUT): length 1.4
  Top w0.2: D4.3 14.72,36.66 13.96,35.9 D3.1
Net-(D4-DOUT): length 1.4
  Top w0.2: D5.3 17.26,36.66 16.5,35.9 D4.1
Net-(D5-DOUT): length 1.4
  Top w0.2: D6.3 19.8,36.49 19.04,35.73 D5.1
Net-(D6-DOUT): length 1.4
  Top w0.2: D6.1 21.58,35.9 22.34,36.66 D7.3
Net-(D7-DOUT): length 1.4
  Top w0.2: D8.3 24.88,36.66 24.12,35.9 D7.1
Net-(D8-DOUT): length 1.4
  Top w0.2: D8.1 26.66,35.73 27.42,36.49 D9.3
Net-(D10-DIN): length 1.4
  Top w0.2: D9.1 29.2,35.73 29.96,36.49 D10.3
Net-(D10-DOUT): length 1.4
  Top w0.2: D11.3 32.51,36.49 31.74,35.72 D10.1
Net-(D11-DOUT): length 1.4
  Top w0.2: D11.1 34.29,35.72 35.06,36.49 D12.3
Net-(D12-DOUT): length 1.4
  Top w0.2: D13.3 37.6,36.66 36.84,35.9 D12.1
Net-(D13-DOUT): length 1.4
  Top w0.2: D13.1 39.38,35.73 40.14,36.49 D14.3
Net-(D14-DOUT): length 1.4
  Top w0.2: D14.1 41.92,35.9 42.68,36.66 D15.3
Net-(D15-DOUT): length 1.4
  Top w0.2: D16.3 45.22,36.66 44.46,35.9 D15.1
Net-(D16-DOUT): length 1.4
  Top w0.2: D16.1 47,35.73 47.76,36.49 D17.3
Net-(D17-DOUT): length 1.4
  Top w0.2: D18.3 50.3,36.66 49.54,35.9 D17.1
Net-(D18-DOUT): length 1.4
  Top w0.2: D18.1 52.08,35.87 52.84,36.63 D19.3
Net-(D19-DOUT): length 1.4
  Top w0.2: D19.1 54.62,35.73 55.38,36.49 D20.3
Net-(D20-DOUT): length 1.4
  Top w0.2: D21.3 57.92,36.66 57.16,35.9 D20.1
Net-(D21-DOUT): length 1.4
  Top w0.2: D22.3 60.47,36.49 59.7,35.72 D21.1
Net-(D22-DOUT): length 1.4
  Top w0.2: D23.3 63.01,36.49 62.25,35.73 D22.1
Net-(D23-DOUT): length 1.4
  Top w0.2: D23.1 64.79,35.73 65.55,36.49 D24.3
Net-(D24-DOUT): length 1.4
  Top w0.2: D25.3 68.09,36.66 67.33,35.9 D24.1
Net-(D25-DOUT): length 1.4
  Top w0.2: D26.3 70.63,36.66 69.87,35.9 D25.1
Net-(D26-DOUT): length 1.4
  Top w0.2: D27.3 73.17,36.49 72.41,35.73 D26.1
Net-(D27-DOUT): length 1.4
  Top w0.2: D27.1 74.95,35.9 75.71,36.66 D28.3
Net-(D28-DOUT): length 1.4
  Top w0.2: D29.3 78.25,36.66 77.49,35.9 D28.1
Net-(D29-DOUT): length 1.4
  Top w0.2: D30.3 80.79,36.49 80.03,35.73 D29.1
Net-(D30-DOUT): length 92.7
  Top w0.2: D30.1 83.18,35.03 83.18,34.28 82.54,33.65 7.35,33.65 6.85,33.15 6.85,19.16 D31.3
Net-(D31-DOUT): length 1.4
  Top w0.2: D32.3 9.59,18.89 8.82,18.12 D31.1
Net-(D32-DOUT): length 1.4
  Top w0.2: D33.3 12.13,18.71 11.37,17.95 D32.1
Net-(D33-DOUT): length 1.4
  Top w0.2: D34.3 14.67,18.88 13.91,18.12 D33.1
Net-(D34-DOUT): length 1.4
  Top w0.2: D34.1 16.45,17.95 17.21,18.71 D35.3
Net-(D35-DOUT): length 1.4
  Top w0.2: D35.1 18.99,17.95 19.75,18.71 D36.3
Net-(D36-DOUT): length 1.4
  Top w0.2: D37.3 22.29,18.71 21.53,17.95 D36.1
Net-(D37-DOUT): length 1.4
  Top w0.2: D37.1 24.07,18.12 24.83,18.88 D38.3
Net-(D38-DOUT): length 1.4
  Top w0.2: D39.3 27.37,18.88 26.61,18.12 D38.1
Net-(D39-DOUT): length 1.4
  Top w0.2: D39.1 29.15,17.95 29.91,18.71 D40.3
Net-(D40-DOUT): length 1.4
  Top w0.2: D40.1 31.69,17.94 32.46,18.71 D41.3
Net-(D41-DOUT): length 1.4
  Top w0.2: D42.3 35.01,18.71 34.24,17.94 D41.1
Net-(D42-DOUT): length 1.4
  Top w0.2: D43.3 37.55,18.71 36.79,17.95 D42.1
Net-(D43-DOUT): length 1.4
  Top w0.2: D43.1 39.33,18.12 40.09,18.88 D44.3
Net-(D44-DOUT): length 1.4
  Top w0.2: D45.3 42.63,18.88 41.87,18.12 D44.1
Net-(D45-DOUT): length 1.4
  Top w0.2: D45.1 44.41,18.12 45.17,18.88 D46.3
Net-(D46-DOUT): length 1.4
  Top w0.2: D46.1 46.95,17.95 47.71,18.71 D47.3
Net-(D47-DOUT): length 1.4
  Top w0.2: D47.1 49.49,18.12 50.25,18.88 D48.3
Net-(D48-DOUT): length 1.4
  Top w0.2: D48.1 52.03,17.95 52.79,18.71 D49.3
Net-(D49-DOUT): length 1.4
  Top w0.2: D49.1 54.57,17.94 55.34,18.71 D50.3
Net-(D50-DOUT): length 1.4
  Top w0.2: D50.1 57.12,18.12 57.89,18.89 D51.3
Net-(D51-DOUT): length 1.4
  Top w0.2: D51.1 59.66,17.94 60.43,18.71 D52.3
Net-(D52-DOUT): length 1.4
  Top w0.2: D53.3 62.97,18.73 62.21,17.97 D52.1
Net-(D53-DOUT): length 1.4
  Top w0.2: D54.3 65.51,18.71 64.75,17.95 D53.1
Net-(D54-DOUT): length 1.4
  Top w0.2: D54.1 67.29,18.12 68.05,18.88 D55.3
Net-(D55-DOUT): length 1.4
  Top w0.2: D55.1 69.83,17.95 70.59,18.71 D56.3
Net-(D56-DOUT): length 1.4
  Top w0.2: D56.1 72.37,17.95 73.13,18.71 D57.3
Net-(D57-DOUT): length 1.4
  Top w0.2: D58.3 75.67,18.71 74.91,17.95 D57.1
Net-(D58-DOUT): length 1.4
  Top w0.2: D59.3 78.21,18.71 77.45,17.95 D58.1
Net-(D59-DOUT): length 1.4
  Top w0.2: D60.3 80.75,18.71 79.99,17.95 D59.1
Net-(D60-DOUT): length 22.3
  Top w0.2: D60.1 83.99,16.41 83.99,9.05 83.86,8.92 83.86,8.73 76.56,1.42 75.62,1.42 74.76,2.29
Net-(D71-DOUT): length 1.4
  Top w0.2: D71.1 75.61,4.06 74.84,4.83 74.76,4.83
Net-(D72-DOUT): length 17.5
  Top w0.2: 59.52,4.83 60.5,5.8 61.09,5.8 62.39,7.1 75.36,7.1 D72.1
Net-(D73-DOUT): length 7
  Top w0.2: D74.3 58.67,3.14 58.67,6.6 59.17,7.1 60.12,7.1 D73.1
Net-(D74-DOUT): length 18.4
  Top w0.2: D74.1 60.07,3.51 60.07,1.99 59.86,1.78 44.79,1.78 D75.3
Net-(D75-DOUT): length 1.4
  Top w0.2: 44.28,4.83 44.54,4.83 45.3,4.06 D75.1
